# Altium PCB controller_V1.3.1.PcbDoc (part 7 of 7)
Units mm, origin at the board's own origin, x right, y up, seen from the top; angles counter-clockwise.
Board outline 244 x 150 mm, 2 copper layers (Top Layer, Bottom Layer), stack 1.98 mm thick; 438 components, 367 nets, 1493 pads, 9629 vias.
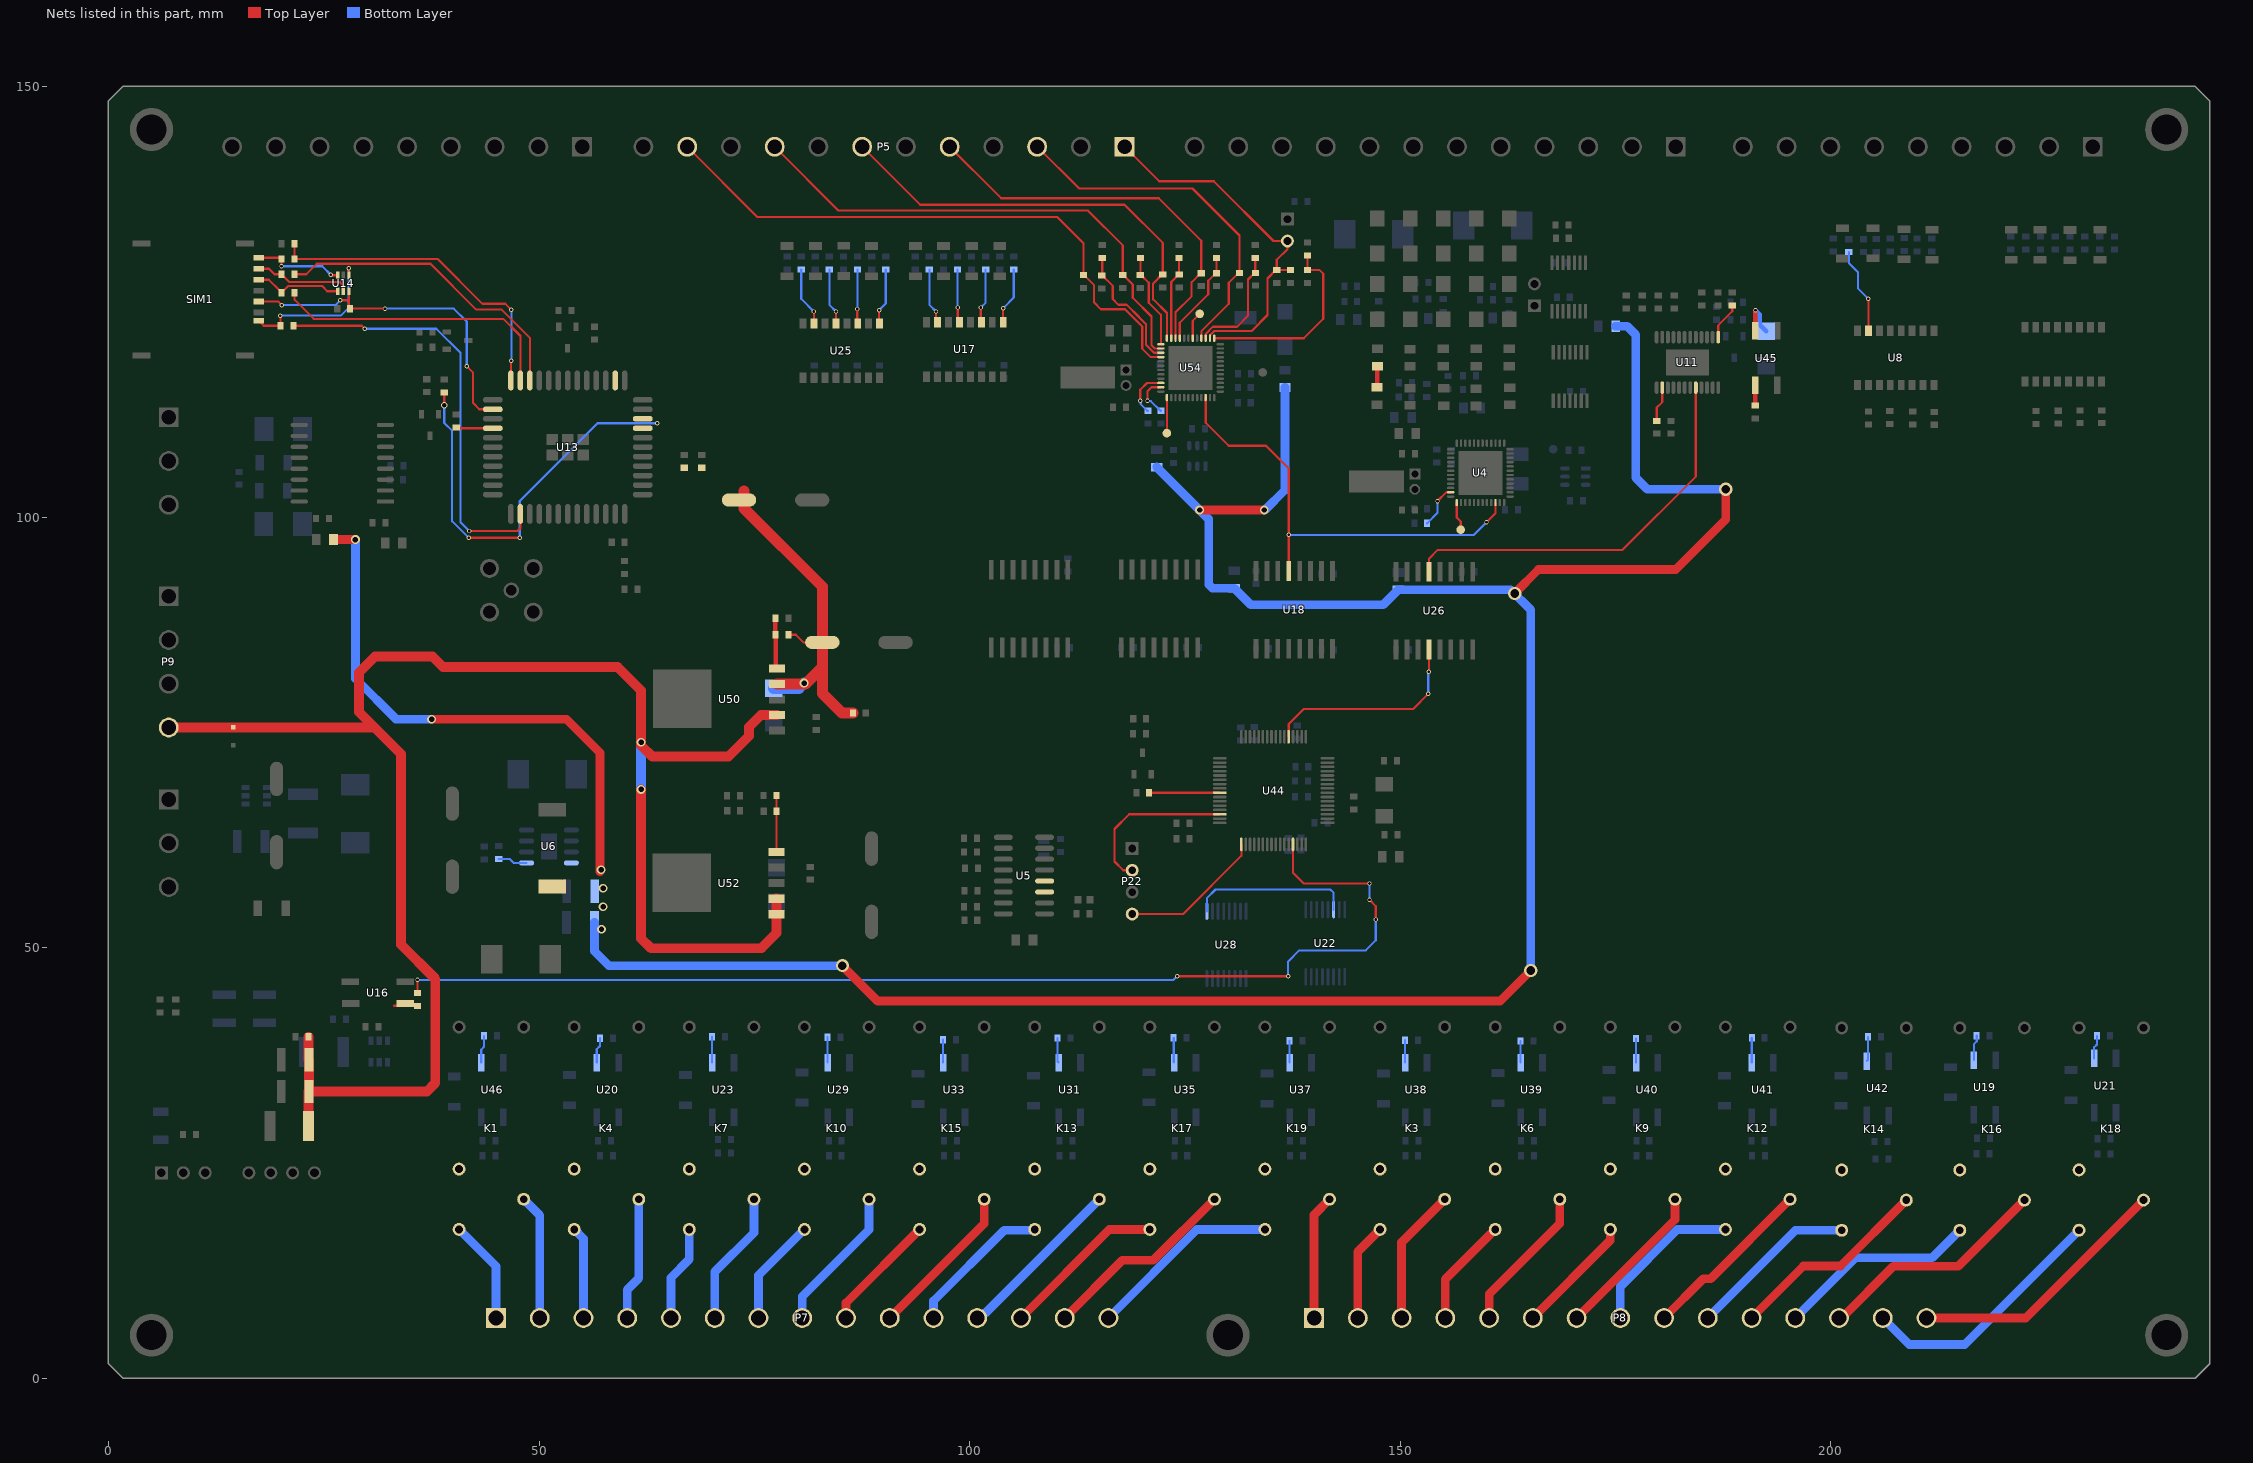
[diagram p7: the nets of this part, all layers, seen from the top]

## Via types
v1: diameter 0.508, hole 0.305, Top Layer to Bottom Layer, 9222 vias
v2: diameter 0.508, hole 0.305, Top Layer to Bottom Layer, tented both sides, 294 vias
v3: diameter 0.6, hole 0.3, Top Layer to Bottom Layer, 50 vias
v4: diameter 1.016, hole 0.635, Top Layer to Bottom Layer, tented both sides, 39 vias
v5: diameter 0.762, hole 0.508, Top Layer to Bottom Layer, tented both sides, 16 vias
v6: diameter 1.524, hole 1.016, Top Layer to Bottom Layer, tented both sides, 7 vias
v7: diameter 1.5, hole 1, Top Layer to Bottom Layer, 1 vias

## Nets (pads, with @x,y where several pads share a name; then routed paths per layer and width w, separated by ;. In a path a pad name is that pad's centre, name@x,y a point inside that pad or via, vN(x,y) a via of type N, cw(c..) or ccw(c..) an arc to the next point about the centre after c; other vN are vias at no path point) (continued)
NetR46_1: R46.1 U8.7 | length 10.1
  Top Layer w0.254: v2(204.356,125.346) 204.368,125.333 U8.7@204.368,121.641
  Bottom Layer w0.254: R46.1@202.096,130.759 202.096,129.493 203.141,128.448 203.141,126.561 v2(204.356,125.346)
NetR49_1: R49.1 U16.1 | length 2.7
  Top Layer w0.254: 33.172,43.256 35.863,43.256 R49.1@35.89,43.229
NetR71_1: R71.1 U11.13 | length 4.4
  Top Layer w0.254: U11.13@186.926,120.883 186.926,122.259 188.558,123.891 R71.1@188.558,124.562
NetR73_2: R73.2 U4.11 | length 5
  Top Layer w0.254: v2(154.33,101.854) 155.357,102.881 U4.11@155.863,102.881
  Bottom Layer w0.254: R73.2@153.137,99.289 154.33,100.482 v2(154.33,101.854)
NetR75_2: R75.2 U54.11 | length 4.9
  Top Layer w0.254: v2(120.65,113.513) 120.65,114.605 121.118,115.073 U54.11@122.208,115.073 U54.11@122.203,115.068
  Bottom Layer w0.254: v2(120.65,113.513) 120.699,113.464 121.036,113.464 122.154,112.346 R75.2@122.229,112.346
NetR80_1: R80.1 R89.2 | length 2.5
  Top Layer w0.508: R89.2@147.307,115.063 147.33,115.086 147.33,117.503 R80.1@147.353,117.526
NetR81_1: R81.1 U25.1 | length 6.6
  Top Layer w0.254: v2(89.484,124.028) 89.484,122.545 U25.1@89.548,122.482
  Bottom Layer w0.254: v2(89.484,124.028) 90.262,124.806 R81.1@90.262,128.754
NetR86_1: R86.1 U25.3 | length 6.3
  Top Layer w0.254: v2(86.944,124.155) 86.944,122.545 U25.3@87.008,122.482
  Bottom Layer w0.254: v2(86.944,124.155) 86.989,124.2 R86.1@86.989,128.754
NetR92_1: R92.1 U25.5 | length 6.6
  Top Layer w0.254: U25.5@84.468,122.482 84.48,122.494 v2(84.48,123.876)
  Bottom Layer w0.254: R92.1@83.716,128.754 83.716,124.641 v2(84.48,123.876)
NetR96_1: R96.1 U25.7 | length 6.9
  Top Layer w0.254: v2(81.915,123.876) 81.915,122.494 U25.7@81.928,122.482
  Bottom Layer w0.254: R96.1@80.443,128.754 80.443,125.348 v2(81.915,123.876)
NetR105_1: R105.1 U11.2 | length 4.1
  Top Layer w0.254: R105.1@179.793,111.177 179.793,112.712 180.426,113.344 U11.2@180.426,115.033
NetR106_1: R106.1 U45.1 | length 2.4
  Top Layer w0.508: R106.1@191.225,112.931 U45.1@191.225,115.291
NetR107_1: R107.1 U46.1 | length 3.2
  Bottom Layer w0.254: U46.1@43.278,36.652 43.278,38.153 43.607,38.482 R107.1@43.607,39.751
NetR108_1: R108.1 U17.1 | length 6.7
  Top Layer w0.254: v2(103.886,124.257) 103.886,122.621 U17.1@103.899,122.609
  Bottom Layer w0.254: v2(103.886,124.257) 105.121,125.491 R108.1@105.121,128.754
NetR111_1: R111.1 SIM1.2 U14.4 | length 10.4
  Top Layer w0.254: SIM1.2@17.469,127.565 18.61,127.565 19.817,126.358 19.892,126.358 R111.1@20.115,126.135 ; U14.4@26.63,126.227 25.415,126.227 24.82,126.822 20.877,126.822 20.413,126.358 20.338,126.358 R111.1@20.115,126.135 ; R111.1@20.115,126.135 R111.1@20.115,126.06 R111.1@20.115,126.135
NetR113_1: R113.1 U17.3 | length 6.4
  Top Layer w0.254: v2(101.295,124.333) 101.295,122.672 U17.3@101.359,122.609
  Bottom Layer w0.254: v2(101.295,124.333) 101.855,124.893 R113.1@101.855,128.754
NetR115_1: R115.1 U17.5 | length 6.2
  Top Layer w0.254: v2(98.628,124.333) 98.628,122.799 U17.5@98.819,122.609
  Bottom Layer w0.254: R115.1@98.589,128.754 98.589,124.372 v2(98.628,124.333)
NetR117_1: R117.1 U17.7 | length 6.5
  Top Layer w0.254: v2(96.088,123.876) 96.088,122.799 U17.7@96.279,122.609
  Bottom Layer w0.254: R117.1@95.323,128.754 95.323,124.641 v2(96.088,123.876)
NetR120_1: R120.1 SIM1.3 U14.3 | length 10.5
  Top Layer w0.254: SIM1.3@17.469,130.105 19.953,130.105 R120.1@20.086,129.972 v2(20.086,129.113) ; v2(25.832,128.118) 25.872,128.077 U14.3@26.63,128.077
  Bottom Layer w0.254: v2(20.086,129.113) 24.836,129.113 v2(25.832,128.118)
NetR121_1: R121.1 SIM1.7 U14.5 | length 11.3
  Top Layer w0.254: SIM1.7@17.469,128.835 18.637,128.835 19.279,128.194 R121.1@20.086,128.194 20.086,128.119 20.309,127.896 20.384,127.896 20.975,127.305 26.873,127.305 27.28,126.898 U14.5@27.28,126.227
NetR124_1: R124.1 U19.1 | length 3
  Bottom Layer w0.254: U19.1@216.611,36.935 216.611,38.786 216.941,39.116 R124.1@216.941,39.78
NetR127_1: R127.1 U20.1 | length 3
  Bottom Layer w0.254: U20.1@56.689,36.652 56.689,38.198 57.069,38.577 R127.1@57.069,39.472
NetR128_1: R128.1 U21.1 | length 2.7
  Bottom Layer w0.254: U21.1@230.581,37.164 230.581,38.43 230.911,38.76 R128.1@230.911,39.755
NetR131_1: R131.1 U23.1 | length 3
  Bottom Layer w0.254: R131.1@70.099,39.649 70.1,39.648 U23.1@70.1,36.652
NetR135_1: R135.1 U29.1 | length 2.9
  Bottom Layer w0.254: R135.1@83.51,39.599 83.51,36.654 U29.1@83.511,36.652
NetR139_1: R139.1 U31.1 | length 2.9
  Bottom Layer w0.254: R139.1@110.205,39.497 110.205,36.781 U31.1@110.334,36.652
NetR142_1: R142.1 U33.1 | length 2.7
  Bottom Layer w0.254: R142.1@96.896,39.319 96.896,36.679 U33.1@96.923,36.652
NetR147_1: R147.1 U35.1 | length 2.9
  Bottom Layer w0.254: R147.1@123.694,39.522 123.694,36.703 U35.1@123.745,36.652
NetR150_1: R150.1 U37.1 | length 2.6
  Bottom Layer w0.254: R150.1@137.131,39.192 137.156,39.167 U37.1@137.156,36.652
NetR152_1: R152.1 U38.1 | length 2.6
  Bottom Layer w0.254: U38.1@150.567,36.652 R152.1@150.567,39.243
NetR154_1: R154.1 U39.1 | length 2.5
  Bottom Layer w0.254: R154.1@163.953,39.167 163.953,36.678 U39.1@163.979,36.652
NetR156_1: R156.1 U40.1 | length 2.8
  Bottom Layer w0.254: R156.1@177.388,39.446 177.388,36.654 U40.1@177.39,36.652
NetR158_1: R158.1 U41.1 | length 2.9
  Bottom Layer w0.254: U41.1@190.801,36.652 190.826,36.678 R158.1@190.826,39.522
NetR160_1: R160.1 U42.1 | length 2.9
  Bottom Layer w0.254: U42.1@204.191,36.834 204.323,36.966 R160.1@204.323,39.634
NetR164_1: R164.1 U13.16 | length 4.3
  Top Layer w0.254: R164.1@40.388,110.414 40.488,110.313 U13.16@44.636,110.313
NetR179_1: R179.1 U6.5 | length 3.4
  Bottom Layer w0.254: R179.1@45.31,60.298 46.585,60.298 47.041,59.842 U6.5@48.552,59.842
NetR180_2: R180.2 R181.2 U50.5 | length 6.1
  Top Layer w0.508: R180.2@77.443,86.335 R181.2@77.443,88.24 ; R180.2@77.497,86.538 77.497,82.574 U50.5@77.65,82.421
NetR185_2: R185.2 R186.2 U52.5 | length 6.6
  Top Layer w0.254: R185.2@77.573,67.666 77.573,61.099 U52.5@77.585,61.087
NetR190_2: R190.2 U54.10 | length 5.6
  Top Layer w0.254: v2(119.812,113.487) 119.812,114.783 120.602,115.573 U54.10@122.208,115.573
  Bottom Layer w0.254: v2(119.812,113.487) 119.86,113.439 119.86,113.115 120.63,112.346 R190.2@120.705,112.346 R190.2@120.713,112.354
NetTP3_1: TP3.1 U54.42 | length 3.2
  Top Layer w0.254: U54.42@125.908,120.773 125.908,122.784 TP3.1@126.721,123.596
NetTP8_1: TP8.1 U54.13 | length 4.1
  Top Layer w0.254: TP8.1@122.908,109.745 U54.13@122.908,113.873
NetTP18_1: TP18.1 U4.13 | length 3.3
  Top Layer w0.254: U4.13@156.563,101.681 156.563,99.952 157.027,99.488 TP18.1@157.027,98.527
NetU22_14: U22.14 U28.9 | length 18.8
  Bottom Layer w0.254: U28.9@127.55,54.229 127.55,55.745 128.549,56.744 141.884,56.744 142.266,56.362 U22.14@142.266,54.409
PT100_A1: R192.1 R199.2 U54.37 | length 22.6
  Top Layer w0.254: U54.37@128.408,120.773 138.807,120.773 141.072,123.038 141.072,128.245 140.644,128.672 R192.1@139.242,128.672 ; R192.1@139.167,128.672 R192.1@139.242,128.672 ; R199.2@139.242,130.398 R192.1@139.242,128.672
PT100_A2: R204.1 R211.2 U54.47 | length 9.7
  Top Layer w0.254: U54.47@123.408,120.773 123.408,127.297 124.308,128.197 R211.2@124.308,130.089
PT100_A3: R216.1 R223.2 U54.3 | length 14.9
  Top Layer w0.254: R216.1@115.354,128.031 115.429,128.031 116.611,126.849 116.611,125.324 117.275,124.66 118.228,124.66 119.659,123.229 119.659,123.215 120.472,122.403 120.472,120.015 121.415,119.073 U54.3@122.208,119.073 ; R216.1@115.405,128.082 R223.2@115.405,130.089
PT100_A4: R194.1 R200.2 U54.1 | length 11.1
  Top Layer w0.254: R200.2@119.85,130.089 119.85,128.136 R194.1@119.825,128.111 119.9,128.111 120.802,127.208 120.802,124.892 122.208,123.486 U54.1@122.208,120.073
PT100_A5: R206.1 R212.2 U54.45 | length 11.1
  Top Layer w0.254: U54.45@124.408,120.773 124.408,122.554 127.711,125.857 127.711,127.435 128.589,128.313 R206.1@128.664,128.313 R212.2@128.664,130.089
PT100_A6: R218.1 R224.2 U54.39 | length 13.4
  Top Layer w0.254: U54.39@127.408,120.773 127.413,120.778 127.413,121.266 128.245,122.098 131.064,122.098 132.334,123.368 132.334,127.587 133.11,128.364 R218.1@133.185,128.364 133.16,128.389 R224.2@133.16,130.089
PT100_B1: P4.2 P5.1 R39.1 R193.1 U54.38 | length 44.3
  Top Layer w0.254: P5.1@117.188,143.812 122.011,138.989 128.346,138.989 135.28,132.055 P4.2@136.906,132.055 ; U54.38@127.908,120.773 127.913,120.778 127.913,121.12 128.408,121.615 132.744,121.615 134.596,123.467 134.596,127.711 135.585,128.7 R39.1@135.66,128.7 ; R193.1@137.26,128.672 137.232,128.7 R39.1@135.66,128.7 ; P4.2@137.414,132.055 P4.2@136.906,132.055 ; R39.1@135.66,128.7 135.66,129.869 136.906,131.115 P4.2@136.906,132.055
PT100_B2: P5.7 R205.1 U54.48 | length 51.7
  Top Layer w0.254: P5.7@87.52,143 94.249,136.271 117.983,136.271 122.416,131.838 R205.1@122.416,128.16 122.341,128.16 121.31,127.13 121.31,125.298 122.908,123.701 U54.48@122.908,120.773
PT100_B3: P5.11 R217.1 U54.4 | length 70
  Top Layer w0.254: P5.11@67.2,143 75.351,134.849 110.16,134.849 113.221,131.788 R217.1@113.221,128.088 113.296,128.088 114.452,126.932 114.452,124.917 115.24,124.13 118.034,124.13 120.04,122.123 120.04,119.558 121.026,118.573 U54.4@122.208,118.573
PT100_B4: P5.9 R195.1 U54.2 | length 59.4
  Top Layer w0.254: P5.9@77.36,143 84.775,135.585 113.741,135.585 117.78,131.547 117.78,128.122 R195.1@117.767,128.11 117.842,128.11 118.948,127.004 118.948,125.476 121.128,123.296 121.128,119.951 121.507,119.573 U54.2@122.208,119.573
PT100_B5: P5.5 R207.1 U54.46 | length 47
  Top Layer w0.254: P5.5@97.2,143.48 103.666,137.014 121.965,137.014 126.886,132.092 R207.1@126.886,128.313 126.811,128.313 125.781,127.283 125.781,125.654 123.908,123.781 U54.46@123.908,120.773
PT100_B6: P5.3 R219.1 U54.40 | length 41.6
  Top Layer w0.254: P5.3@107.856,143.016 112.721,138.151 125.882,138.151 131.331,132.702 R219.1@131.331,128.364 131.256,128.364 130.099,127.206 130.099,124.765 126.908,121.574 U54.40@126.908,120.773
PWR_CTRL: R49.2 U44.61 | length 135.3
  Top Layer w0.254: R49.2@35.89,44.729 v2(35.89,46.253) ; v2(124.104,46.685) v2(136.982,46.685) ; U44.61@137.553,61.991 137.553,58.713 138.811,57.455 v2(146.431,57.455) ; v2(146.431,55.55) 147.168,54.813 v2(147.168,53.264)
  Bottom Layer w0.254: v2(35.89,46.253) 123.673,46.253 v2(124.104,46.685) ; v2(136.982,46.685) 136.982,48.387 138.278,49.682 145.999,49.682 147.168,50.851 v2(147.168,53.264) ; v2(146.431,55.55) v2(146.431,57.455)
relay_A1: K1.1 P7.2 | length 14.6
  Bottom Layer w1.016: K1.1@48.212,20.782 50.08,18.915 P7.2@50.08,7
relay_A2: K4.1 P7.4 | length 14.3
  Bottom Layer w1.016: P7.4@60.24,7 60.24,10.262 61.581,11.603 K4.1@61.581,20.782
relay_A3: K7.1 P7.6 | length 15.7
  Bottom Layer w1.016: P7.6@70.4,7 70.4,12.361 74.95,16.911 K7.1@74.95,20.782
relay_A4: K10.1 P7.8 | length 17
  Bottom Layer w1.016: P7.8@80.56,7 80.56,9.491 88.319,17.25 K10.1@88.319,20.782
relay_A5: K13.1 P7.12 | length 19.9
  Bottom Layer w1.016: P7.12@100.88,7 101.227,7 101.869,7.642 101.917,7.642 K13.1@115.057,20.782
relay_A6: K15.1 P7.10 | length 18.3
  Top Layer w1.016: P7.10@90.72,7 101.688,17.968 K15.1@101.688,20.782
relay_A7: K17.1 P7.14 | length 23.1
  Top Layer w1.016: P7.14@111.04,7 117.731,13.691 121.335,13.691 K17.1@128.426,20.782
relay_A8: K19.1 P8.1 | length 14.5
  Top Layer w1.016: P8.1@140,7 140,18.987 K19.1@141.795,20.782
relay_A9: K3.1 P8.3 | length 15.9
  Top Layer w1.016: P8.3@150.16,7 150.16,15.778 K3.1@155.164,20.782
relay_A10: K6.1 P8.5 | length 17.2
  Top Layer w1.016: P8.5@160.32,7 160.35,7.03 160.35,9.779 168.533,17.962 K6.1@168.533,20.782
relay_A11: K9.1 P8.7 | length 18.5
  Top Layer w1.016: P8.7@170.48,7 181.902,18.422 K9.1@181.902,20.782
relay_A12: K12.1 P8.9 | length 20.3
  Top Layer w1.016: P8.9@180.64,7 185.197,11.557 186.046,11.557 K12.1@195.271,20.782
relay_A13: K14.1 P8.11 | length 23.6
  Top Layer w1.016: P8.11@190.8,7 196.83,13.03 201.119,13.03 K14.1@208.77,20.681
relay_A14: K16.1 P8.13 | length 27.2
  Top Layer w1.016: P8.13@200.96,7 201.259,7 207.264,13.005 214.803,13.005 K16.1@222.479,20.681
relay_A15: K18.1 P8.15 | length 30.9
  Top Layer w1.016: P8.15@211.12,7 222.631,7 K18.1@236.322,20.691
relay_B1: K1.3 P7.1 | length 12.1
  Bottom Layer w1.016: K1.3@40.712,17.282 45,12.995 P7.1@45,7
relay_B2: K4.3 P7.3 | length 10.7
  Bottom Layer w1.016: K4.3@54.081,17.282 55.16,16.204 P7.3@55.16,7
relay_B3: K7.3 P7.5 | length 11.2
  Bottom Layer w1.016: P7.5@65.32,7 65.32,11.675 67.45,13.806 K7.3@67.45,17.282
relay_B4: K10.3 P7.7 | length 12.5
  Bottom Layer w1.016: P7.7@75.48,7 75.48,11.943 K10.3@80.819,17.282
relay_B5: K13.3 P7.11 | length 17.2
  Bottom Layer w1.016: P7.11@95.8,7 95.8,8.957 104.032,17.19 107.465,17.19 K13.3@107.557,17.282
relay_B6: K15.3 P7.9 | length 13.8
  Top Layer w1.016: P7.9@85.64,7 85.648,7.008 85.648,8.742 K15.3@94.188,17.282
relay_B7: K17.3 P7.13 | length 19.2
  Top Layer w1.016: P7.13@105.96,7 116.242,17.282 K17.3@120.926,17.282
relay_B8: K19.3 P7.15 | length 22.4
  Bottom Layer w1.016: P7.15@116.12,7 126.402,17.282 K19.3@134.295,17.282
relay_B9: K3.3 P8.2 | length 11.4
  Top Layer w1.016: P8.2@145.08,7 145.08,14.698 K3.3@147.664,17.282
relay_B10: K6.3 P8.4 | length 12.7
  Top Layer w1.016: P8.4@155.24,7 155.24,11.489 K6.3@161.033,17.282
relay_B11: K9.3 P8.6 | length 14
  Top Layer w1.016: P8.6@165.4,7 174.402,16.002 K9.3@174.402,17.282
relay_B12: K12.3 P8.8 | length 18.6
  Bottom Layer w1.016: P8.8@175.56,7 175.56,10.638 182.205,17.282 K12.3@187.771,17.282
relay_B13: K14.3 P8.10 | length 19.8
  Bottom Layer w1.016: P8.10@185.72,7 195.901,17.181 K14.3@201.27,17.181
relay_B14: K16.3 P8.12 | length 23.3
  Bottom Layer w1.016: P8.12@195.88,7 202.861,13.981 211.779,13.981 K16.3@214.979,17.181
relay_B15: K18.3 P8.14 | length 29.6
  Bottom Layer w1.016: P8.14@206.04,7 209.128,3.912 215.542,3.912 K18.3@228.822,17.191
relay_C1: K1.2
relay_C2: K4.2
relay_C3: K7.2
relay_C4: K10.2
relay_C5: K13.2
relay_C6: K15.2
relay_C7: K17.2
relay_C8: K19.2
relay_C9: K3.2
relay_C10: K6.2
relay_C11: K9.2
relay_C12: K12.2
relay_C13: K14.2
relay_C14: K16.2
relay_C15: K18.2
SCLK: U4.22 U18.13 U54.22 | length 53
  Top Layer w0.254: U54.22@127.408,113.873 127.408,110.946 130.073,108.28 134.417,108.28 137.055,105.642 v2(137.055,97.93) U18.13@137.055,93.749 ; v2(160.02,99.39) 161.063,100.433 U4.22@161.063,101.681
  Bottom Layer w0.254: v2(137.055,97.93) 158.56,97.93 v2(160.02,99.39)
SCLK_AO: U11.8 U26.13 | length 46.8
  Top Layer w0.254: U26.13@153.336,93.646 153.336,95.17 154.356,96.19 175.819,96.19 184.326,104.697 U11.8@184.326,115.033
SCLK_AO_MCU: U26.4 U44.21 | length 24.3
  Top Layer w0.254: U44.21@137.053,74.491 137.053,75.978 138.774,77.699 151.486,77.699 v2(153.264,79.477) ; v2@153.264,82.017 v2(153.3,82.053) 153.336,82.089 U26.4@153.336,84.604
  Bottom Layer w0.254: v2(153.264,79.477) v2@153.264,82.017
SIM_CLK: C169.1 R120.2 U13.13 | length 37.7
  Top Layer w0.254: C169.1@21.589,131.75 21.589,129.974 R120.2@21.586,129.972 38.227,129.972 43.421,124.778 46.088,124.778 v2(46.787,124.079) ; U13.13@46.736,115.863 46.736,118.016 46.787,118.067 v2(46.787,118.135)
  Bottom Layer w0.254: v2(46.787,118.135) v2(46.787,124.079)
SIM_DATA: R121.2 U13.11 | length 36.4
  Top Layer w0.254: R121.2@21.586,128.194 22.966,128.194 24.185,129.413 37.389,129.413 42.713,124.089 45.654,124.089 48.936,120.807 U13.11@48.936,115.863
SIM_PRE: R226.1 SIM1.8 U14.1 | length 17.7
  Top Layer w0.254: SIM1.8@17.454,122.805 18.034,122.225 R226.1@19.963,122.225 v2(19.963,123.392) ; v2(27.889,128.905) 27.909,128.885 27.909,128.098 U14.1@27.93,128.077
  Bottom Layer w0.254: v2(19.963,123.392) 26.978,123.392 27.889,124.303 v2(27.889,128.905)
SIM_RST: R111.2 U13.12 | length 34
  Top Layer w0.254: R111.2@21.615,126.06 21.615,125.222 23.825,123.012 45.847,123.012 47.836,121.023 U13.12@47.836,115.863
SIOUT0: D8.2 U45.4 | length 5.3
  Top Layer w0.508: U45.4@191.225,121.615 191.225,123.966 v2(191.262,124.003)
  Bottom Layer w0.508: v2(191.262,124.003) 191.749,123.516 191.749,122.323 D8.2@192.495,121.577
STATUS: R171.1 U44.41 | length 8.2
  Top Layer w0.254: R171.1@120.851,67.996 129.048,67.996 U44.41@129.053,67.991
SWCLK: P22.4 U44.49 | length 16.8
  Top Layer w0.254: P22.4@118.872,53.899 124.79,53.899 131.553,60.662 U44.49@131.553,61.991
SWDIO: P22.2 U44.46 | length 19.2
  Top Layer w0.254: P22.2@118.872,58.979 117.831,58.979 116.815,59.995 116.815,63.779 118.526,65.491 U44.46@129.053,65.491
uart_rxd1: U5.12
uart_txd1: U5.11
VBAT: C113.1 C114.2 C115.2 C141.2 C142.1 D69.2 LD3.1 R180.1 U13.42 U13.43 U50.4 | length 93.9
  Top Layer w0.254: v5(38.991,113.002) LD3.1@38.991,114.478 ; v2(41.834,97.587) v2(47.752,97.587) ; R180.1@78.943,86.335 79.807,86.335 80.696,85.446 C142.1@82.897,85.446
  Top Layer w1.27: 73.812,103.022 73.812,100.99 82.897,91.905 C142.1@82.897,85.446 82.897,82.593 ; U50.4@77.65,80.621 80.926,80.621 82.897,82.593 ; C141.2@86.435,77.241 85.166,77.241 82.897,79.51 82.897,82.593
  Bottom Layer w0.254: v5(38.991,113.002) 38.991,110.92 39.903,110.007 39.903,99.517 v2(41.834,97.587) ; v2(47.752,97.587) 47.752,101.854 56.794,110.896 v2(63.703,110.896)
  Bottom Layer w1.27: D69.2@77.241,80.112 80.162,80.112 v4(80.772,80.721)
VBUS: U13.2
VCC_5V: C143.1 C144.1 C145.1 D22.2 F3.2 P9.4 U50.2 U52.1 U52.2 | length 204.8
  Top Layer w1.143: P9.4@7,75.573 14.503,75.573 30.904,75.573 ; F3.2@23.241,29.286 C143.1@23.241,33.299 ; C145.1@23.241,36.982 C144.1@23.241,39.649 ; C143.1@23.291,33.299 23.291,36.981 C145.1@23.292,36.982 ; C143.1@23.362,33.299 36.982,33.299 37.948,34.265 37.948,46.386 33.985,50.349 33.985,72.492 30.904,75.573 ; v4(61.849,68.377) 61.849,51.054 62.967,49.936 75.819,49.936 77.585,51.702 U52.1@77.585,53.887 U52.2@77.585,55.687 ; U50.2@77.65,77.021 75.771,77.021 74.363,75.613 74.363,74.569 71.98,72.187 63.144,72.187 61.849,73.482 v4(61.849,73.863) 61.849,79.858 59.131,82.575 38.83,82.575 37.611,83.795 30.963,83.795 29.108,81.94 29.108,77.369 30.904,75.573
  Bottom Layer w1.143: v4(61.849,68.377) v4(61.849,73.863)
VCC_5V_ISO: C67.1 C68.1 C162.1 F2.1 FB1.1 FB2.1 FB3.1 FB4.1 FB8.2 L3.2 U6.4 | length 363.2
  Top Layer w1.016: FB8.2@26.13,97.384 v4(28.677,97.384) ; v4(37.516,76.53) 53.188,76.53 57.074,72.644 v4@57.074,58.801 ; v6(85.217,47.904) 89.332,43.79 161.595,43.79 v6(165.151,47.346) ; v4(126.703,100.82) v4(134.215,100.82) ; v6(163.297,91.135) 166.065,93.904 181.991,93.904 187.808,99.72 v6(187.808,103.226)
  Bottom Layer w1.016: v4(28.677,97.384) 28.677,81.255 33.401,76.53 v4(37.516,76.53) ; C67.1@56.435,52.908 56.435,49.585 58.115,47.904 v6(85.217,47.904) ; FB2.1@121.721,105.802 127.762,99.761 127.762,92.177 128.194,91.745 FB3.1@130.73,91.745 132.66,89.814 148.027,89.814 FB1.1@149.78,91.567 162.814,91.567 165.151,89.23 v6(165.151,47.346) ; v4@134.256,100.779 136.627,103.149 F2.1@136.627,115.043 ; FB4.1@175.006,122.149 176.378,122.149 177.343,121.183 177.343,104.572 178.689,103.226 v6(187.808,103.226)
  other v4: 57.252,52.121 57.429,54.737 57.429,56.896 57.201,59.055
VEXT: R226.2 U13.24 | length 49.6
  Top Layer w0.254: R226.2@21.463,122.225 29.413,122.225 v2(29.769,121.869) ; v2(41.885,98.374) 47.473,98.374 47.836,98.738 U13.24@47.836,100.363
  Bottom Layer w0.254: v2(29.769,121.869) 38.076,121.869 40.894,119.051 40.894,99.365 v2(41.885,98.374)
VSIM: C168.2 SIM1.1 U13.14 U14.6 | length 39.5
  Top Layer w0.254: SIM1.1@17.469,125.025 19.704,125.025 v2(20.117,124.612) ; v2(26.924,125.171) 27.815,125.171 27.93,125.285 ; U14.6@27.93,126.227 27.93,125.285 ; v2(32.106,124.206) C168.2@28.067,124.206 27.93,124.343 27.93,125.285 ; v2(41.605,117.5) 42.342,116.764 42.342,113.233 43.062,112.513 U13.14@44.636,112.513
  Bottom Layer w0.254: v2(20.117,124.612) 26.365,124.612 v2(26.924,125.171) ; v2(32.106,124.206) 40.107,124.206 41.605,122.707 v2(41.605,117.5)
pads on no net: SIM1.6 T1.1 T3.1 T4.1 T6.1 T7.1 U1.3 U1.5 U2.12 U2.13 U2.14 U3.1 U3.2 U3.3 U3.12 U3.13 U3.14 U4.1 U4.2 U4.3 U4.4 U4.17 U4.18 U4.19 U4.38 U4.39 U4.40 U4.41 U4.42 U4.43 U4.44 U4.45 U4.46 U4.47 U4.48 U6.2 U6.3 U10.5 U10.6 U10.11 U10.12 U11.6 U11.17 U11.18 U11.23 U13.5 U13.6 U13.8 U13.9 U13.19 U13.20 U13.21 U13.22 U13.23 U13.25 U13.26 U13.28 U13.29 U13.30 U13.31 U13.32 U13.33 U13.38 U13.39 U13.44 U13.96 U13.97 U13.98 U15.3 U15.5 U15.8 U22.9 U22.15 U26.7 U44.62 U54.17 U54.18 U54.19 U54.33 U54.34 U54.35 U54.36 U54.43 U54.44 U56.3 U56.5 X2.3 X3.3

## Polygon pours and split planes (outlines as drawn)
GND on Bottom Layer "GND_L02_P021" (solid, remove dead copper, pour order 21): 1.168,135.026 103.911,135.026 106.248,132.69 106.248,111.354 101.964,107.069 100.101,107.069 100.101,89.814 101.219,88.697 183.49,88.697 195.402,100.609 195.402,137.846 198.526,140.97 230.962,140.97 238.201,133.731 238.201,42.189 235.335,39.323 40.339,39.323 32.36,31.344 32.36,22.377 30.099,20.117 16.104,20.117 14.3,21.92 14.3,37.135 15.977,38.811 20.98,38.811 21.241,39.072 21.241,39.999 21.441,40.199 22.754,40.199 22.682,40.271 22.682,46.939 24.003,48.26 24.003,49.149 11.608,49.149 10.668,48.209 10.668,44.552 9.523,43.407 5.827,43.407 5.232,44.001 5.232,49.174 7.493,51.435 22.25,51.435 25.425,54.61 41.097,54.61 42.393,53.315 42.393,46.507 44.374,44.526 55.338,44.526 58.572,47.761 58.572,72.593 57.125,74.041 44.958,74.041 43.688,72.771 26.111,72.771 24.498,71.158 24.498,70.358 14.961,70.358 13.589,71.73 6.927,71.73 4.648,74.009 4.648,91.542 6.248,93.142 26.01,93.142 28.372,95.504 28.372,114.275 25.273,117.373 -1.905,117.373 -2.337,117.805 -2.337,132.588 0.127,135.052 1.194,135.052
AGND on Bottom Layer "AGND_L02_P019" (solid, remove dead copper, pour order 19): -4.064,116.611 23.774,116.611 27.026,113.36 27.026,96.368 25.044,94.386 4.928,94.386 3.327,92.786 3.327,72.771 5.563,70.536 13.344,70.536 14.379,69.501 14.379,68.971 25.72,68.971 25.72,70.83 26.67,71.78 26.721,71.73 44.145,71.73 45.795,73.379 55.17,73.379 56.177,72.372 56.177,47.847 53.747,45.416 44.855,45.416 43.129,47.142 43.129,54.077 41.859,55.347 25.171,55.347 21.946,52.121 6.934,52.121 4.928,50.114 4.928,43.609 5.458,43.078 10.871,43.078 10.998,43.205 10.998,47.574 12.141,48.717 28.092,48.717 28.499,48.311 28.473,48.285 28.473,40.962 26.78,39.268 13.513,39.268 12.04,37.795 12.04,20.879 14.529,18.39 31.725,18.39 33.858,20.523 33.858,30.378 37.16,33.68 238.354,33.68 239.243,34.569 239.243,133.807 231.216,141.834 193.04,141.834 191.872,140.665 191.922,140.614 191.922,102.718 179.368,90.163 101.658,90.163 100.609,91.211 100.609,105.359 101.93,105.359 108.077,111.506 108.077,134.142 105.237,136.982 -5.156,136.982 -4.877,137.262 -4.877,159.309 33.782,159.309 43.231,168.758 45.517,166.472 243.713,166.472 255.778,154.407 255.778,-4.242 -9.754,-4.242 -2.819,2.692 -2.819,116.637
GND on Top Layer "GND_L01_P020" (solid, remove dead copper, pour order 20): 1.168,135.026 103.911,135.026 106.248,132.69 106.248,111.354 101.964,107.069 100.101,107.069 100.101,89.814 101.219,88.697 183.49,88.697 195.402,100.609 195.402,137.846 198.526,140.97 230.962,140.97 238.201,133.731 238.201,42.189 235.335,39.323 40.339,39.323 32.36,31.344 32.36,22.377 30.099,20.117 16.104,20.117 14.3,21.92 14.3,37.135 15.977,38.811 20.98,38.811 21.241,39.072 21.241,39.999 21.441,40.199 22.754,40.199 22.682,40.271 22.682,46.939 24.003,48.26 24.003,49.149 11.608,49.149 10.668,48.209 10.668,44.552 9.523,43.407 5.827,43.407 5.232,44.001 5.232,49.174 7.493,51.435 22.25,51.435 25.425,54.61 41.097,54.61 42.393,53.315 42.393,46.507 44.374,44.526 55.338,44.526 58.572,47.761 58.572,72.593 57.125,74.041 44.958,74.041 43.688,72.771 26.111,72.771 25.07,71.73 13.589,71.73 6.934,71.73 4.648,74.016 4.648,91.542 6.248,93.142 26.01,93.142 28.372,95.504 28.372,114.275 25.273,117.373 -1.905,117.373 -2.337,117.805 -2.337,132.588 0.127,135.052 1.194,135.052
AGND on Top Layer "AGND_L01_P018" (solid, remove dead copper, pour order 18): -4.064,116.611 23.774,116.611 27.026,113.36 27.026,96.368 25.044,94.386 4.928,94.386 3.327,92.786 3.327,72.771 5.563,70.536 14.33,70.536 14.379,70.487 14.379,67.69 14.379,70.83 25.72,70.83 26.67,71.78 26.721,71.73 44.145,71.73 45.795,73.379 55.17,73.379 56.177,72.372 56.177,47.847 53.747,45.416 44.855,45.416 43.129,47.142 43.129,54.077 41.859,55.347 25.171,55.347 21.946,52.121 6.934,52.121 4.928,50.114 4.928,43.609 5.458,43.078 10.871,43.078 10.998,43.205 10.998,47.574 12.141,48.717 28.092,48.717 28.499,48.311 28.473,48.285 28.473,40.962 26.78,39.268 13.513,39.268 12.04,37.795 12.04,20.879 14.529,18.39 31.725,18.39 33.858,20.523 33.858,30.378 37.16,33.68 238.354,33.68 239.243,34.569 239.243,133.807 231.216,141.834 193.04,141.834 191.872,140.665 191.922,140.614 191.922,102.718 179.368,90.163 101.658,90.163 100.609,91.211 100.609,105.359 101.93,105.359 108.077,111.506 108.077,134.142 105.237,136.982 -5.156,136.982 -4.877,137.262 -4.877,159.309 33.782,159.309 43.231,168.758 45.517,166.472 243.713,166.472 255.778,154.407 255.778,-4.242 -9.754,-4.242 -2.819,2.692 -2.819,116.637

## Keep-outs
Keep-Out Layer:
  lines w0.254: 0.305,1.803 0.305,148.285 1.626,149.606 242.341,149.606 243.688,148.26 243.688,1.727 242.265,0.305 1.803,0.305 0.305,1.803

## Other copper
Top Layer:
  rectangle net NetC137_1: 46.711,64.948 50.063,66.167
  rectangle net NetC137_1: 46.711,66.167 49.403,67.488
  rectangle net NetC137_1: 46.711,65.253 52.73,66.853
  rectangle net 24V_IN: 18.796,58.953 30.607,63.932
  region net VBAT: 60.274,111.76 64.618,111.76 65.532,110.846 65.532,106.502 65.827,106.207 72.634,106.207 75.844,102.997 75.844,100.914 75.463,100.533 70.002,100.533 64.364,106.172 64.364,108.534 62.916,109.982 62.713,109.982 60.655,109.982 60.274,110.363
  pour cut-out: 45.11,90.094 60.808,90.094 60.808,98.701 59.207,98.701 59.207,92.888 45.11,92.888
  region net VCC_5V_ISO: 53.152,60.18 57.676,60.18 57.988,59.868 57.988,51.232 57.607,50.851 55.753,50.851 55.22,51.384 55.22,56.083 54.854,56.449 49.875,56.449 49.53,56.794 49.53,57.988 49.886,58.344 52.502,58.344 52.857,58.699 52.857,59.869 53.152,60.163
Bottom Layer:
  region net NetF1_1: 24.356,67.168 19.929,67.168 19.756,67.34 15.42,67.34 15.42,68.89 23.934,68.89 24.356,68.468
  region net NetP10_1: 5.85,68.358 5.85,66.058 16.456,66.058 16.475,66.04 16.575,66.14 16.582,66.14 16.582,66.948 16.524,67.005 12.903,67.005 12.548,67.361 11.557,68.351
  region net 24V_FO: 31.168,39.792 31.168,36.176 31.251,36.092 33.247,36.092 33.604,36.449 33.604,39.116 34.29,39.802 34.214,39.878 34.214,41.25 34.112,41.25 33.655,41.707 33.63,41.681 32.004,41.681 31.445,41.123 31.445,39.792
  region net 24V_F: 29.433,39.821 29.693,40.081 30.603,40.081 31.013,39.671 31.013,38.01 30.519,37.516 29.464,37.516 27.87,35.921 26.404,35.921 26.429,35.946 26.429,39.821
  region net VCC_5V_ISO: 53.005,60.016 57.824,60.016 57.832,60.024 57.861,59.995 57.861,51.105 57.607,50.851 55.753,50.851 55.347,51.257 55.347,58.369 54.235,59.48 52.991,59.48 52.857,59.614 52.857,59.869
  region net NetC137_1: 47.6,63.348 49.276,63.348 49.428,63.5 49.428,71.755 49.073,72.111 45.949,72.111 45.542,71.704 45.542,66.827 47.422,64.948 47.422,63.525
  region net 24V_IN: 30.251,64.008 30.709,63.551 30.709,59.461 30.251,59.004 19.025,59.004 17.424,60.604 17.424,63.957 17.475,64.008

## Silkscreen, mask and mechanical layers (free items; w line width, h text height)
Top Overlay:
  lines w0.127: -0.674,0 156.706,0 156.706,126.397
  text "COM" at 14.046,157.023 h1.52 r270
  text "DI8" at 19.332,157.023 h1.52 r270
  text "DI7" at 24.617,157.023 h1.52 r270
  text "DI6" at 29.902,157.023 h1.52 r270
  text "DI5" at 35.188,157.023 h1.52 r270
  text "DI4" at 40.473,157.023 h1.52 r270
  text "DI3" at 45.759,157.023 h1.52 r270
  text "DI2" at 51.044,157.023 h1.52 r270
  text "DI1" at 56.329,157.023 h1.52 r270
  text "PT62" at 61.615,157.023 h1.52 r270
  text "PT61" at 66.9,157.023 h1.52 r270
  text "PT52" at 72.186,157.023 h1.52 r270
  text "PT51" at 77.471,157.023 h1.52 r270
  text "PT42" at 82.756,157.023 h1.52 r270
  text "PT41" at 88.042,157.023 h1.52 r270
  text "PT32" at 93.327,157.023 h1.52 r270
  text "PT31" at 98.613,157.023 h1.52 r270
  text "PT22" at 103.898,157.023 h1.52 r270
  text "PT21" at 109.184,157.023 h1.52 r270
  text "PT12" at 114.469,157.023 h1.52 r270
  text "PT11" at 119.754,157.023 h1.52 r270
  text "GND" at 125.04,157.023 h1.52 r270
  text "NC" at 130.325,157.023 h1.52 r270
  text "24V" at 135.611,157.023 h1.52 r270
  text "NC" at 140.896,157.023 h1.52 r270
  text "NC" at 146.181,157.023 h1.52 r270
  text "NC" at 151.467,157.023 h1.52 r270
  text "AI5" at 156.752,157.023 h1.52 r270
  text "AI4" at 162.038,157.023 h1.52 r270
  text "AI3" at 167.323,157.023 h1.52 r270
  text "AI2" at 172.608,157.023 h1.52 r270
  text "AI1" at 177.894,157.023 h1.52 r270
  text "NC" at 183.179,157.023 h1.52 r270
  text "COM" at 188.465,157.023 h1.52 r270
  text "DI9" at 193.75,157.023 h1.52 r270
  text "DI9" at 199.035,157.023 h1.52 r270
  text "DI9" at 204.321,157.023 h1.52 r270
  text "DI9" at 209.606,157.023 h1.52 r270
  text "DI9" at 214.892,157.023 h1.52 r270
  text "DI9" at 220.177,157.023 h1.52 r270
  text "DI9" at 225.462,157.023 h1.52 r270
  text "DI9" at 230.748,157.023 h1.52 r270
  text "GND" at -11.811,110.998 h1.52
  text "485_B" at -11.811,106.197 h1.52
  text "485_A" at -11.811,101.168 h1.52
  text "GND" at -11.811,90.561 h1.52
  text "DI9" at -11.811,84.823 h1.52
  text "RT" at -11.811,79.086 h1.52
  text "RR" at -11.811,73.348 h1.52
  text "VIN(24V)" at -11.811,67.61 h1.52
  text "Ctrl Board V1.3.1" at 183.185,67.31 h2.54
  text "GND" at -11.811,61.872 h1.52
  text "3.3V" at 113.03,61.036 h1.02
  text "SWDIO" at 121.006,58.903 h1.02
  text "GND" at 121.006,56.312 h1.02
  text "EARTH" at -11.811,56.134 h1.52
  text "SWCLK" at 121.006,53.645 h1.02
  text "DO15" at 50.546,-1.6 h1.52 r270
  text "DO14" at 60.927,-1.6 h1.52 r270
  text "DO13" at 71.309,-1.6 h1.52 r270
  text "DO12" at 81.69,-1.6 h1.52 r270
  text "DO11" at 92.071,-1.6 h1.52 r270
  text "DO10" at 102.453,-1.6 h1.52 r270
  text "DO9" at 112.834,-1.6 h1.52 r270
  text "DO8" at 123.215,-1.6 h1.52 r270
  text "DO7" at 133.597,-1.6 h1.52 r270
  text "DO6" at 143.978,-1.6 h1.52 r270
  text "DO5" at 154.359,-1.6 h1.52 r270
  text "DO4" at 164.741,-1.6 h1.52 r270
  text "DO3" at 175.122,-1.6 h1.52 r270
  text "DO2" at 185.503,-1.6 h1.52 r270
  text "DO1" at 195.885,-1.6 h1.52 r270
Bottom Overlay:
  text "GND" at 3.861,90.5 h1.02
Mechanical 1:
  lines w0.127: -31.909,-220.066 ccw(c-29.909,-220.066) -29.909,-222.066 ; 250.091,-222.066 ccw(c250.091,-220.066) 252.091,-220.066
  lines w0.254: 0,1.676 0,148.336 1.664,150 242.328,150 244,148.328 244,1.684 242.316,0 1.676,0 0,1.676

## Dimensions
1.676,0 to 1.664,150 on Top Overlay
0,1.676 to 244,1.684 on Top Overlay